# Altium PCB ArduinoUnoShield.PcbDoc (part 1 of 2)
Units mil, origin at the board's own origin, x right, y up, seen from the top; angles counter-clockwise.
Board outline 4000 x 2250 mil, 2 copper layers (Top Layer, Bottom Layer); 123 components, 114 nets, 416 pads, 94 vias.
Unrouted connection lines stored in the file: 263.
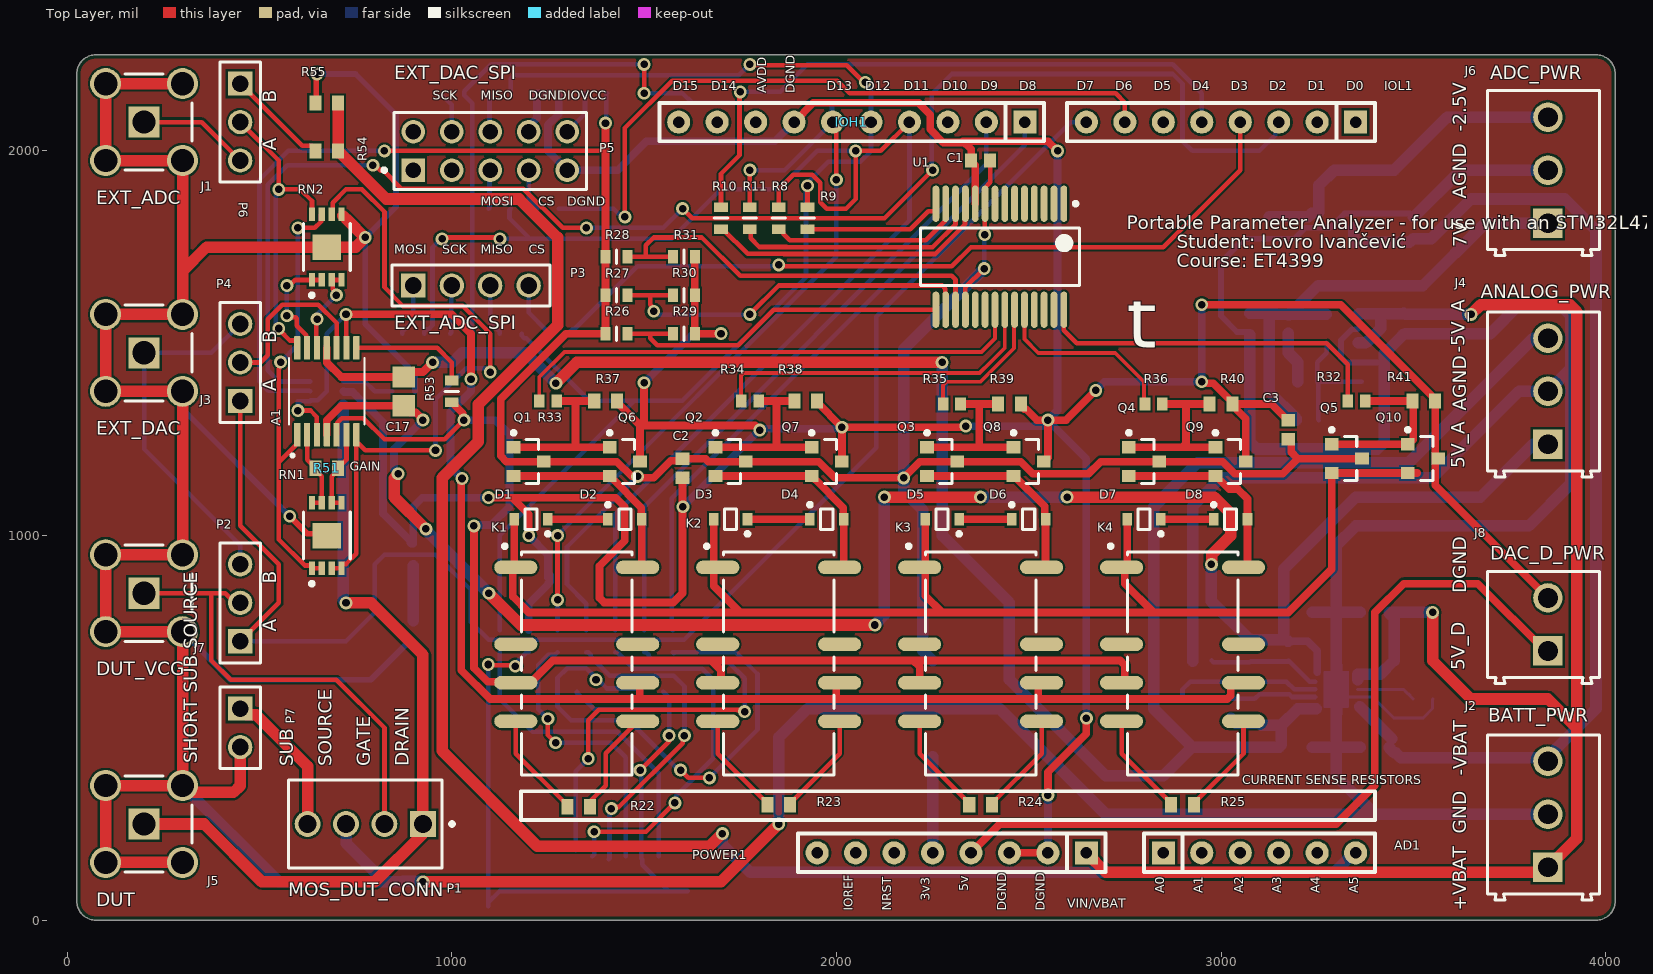
[diagram p0: Top Layer view]
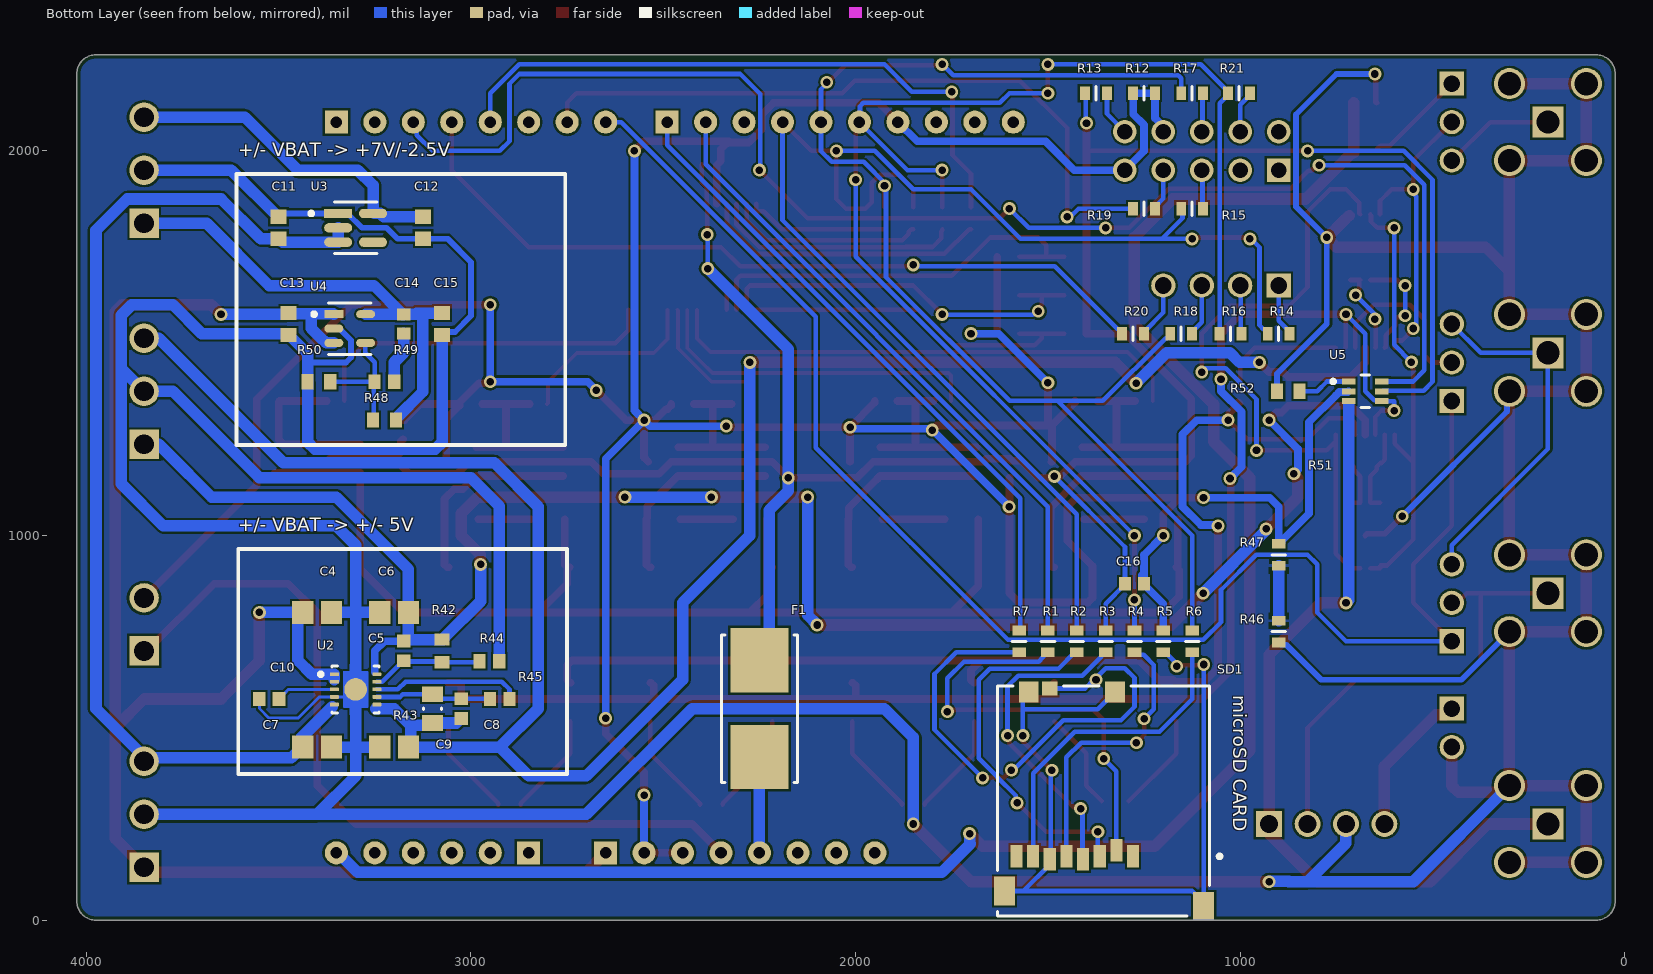
[diagram p1: Bottom Layer view, seen from below]
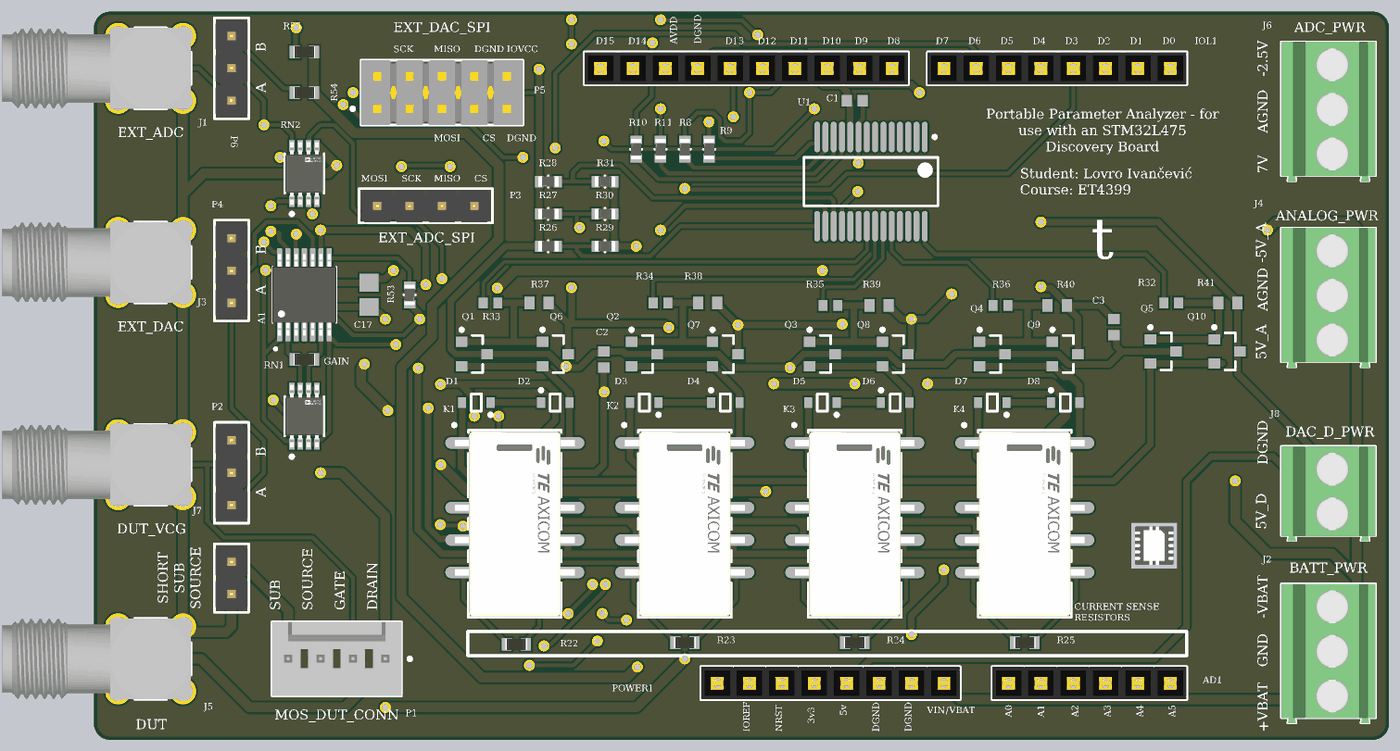
[diagram p3: 3D render of the assembled board from above, using the file's embedded part models]
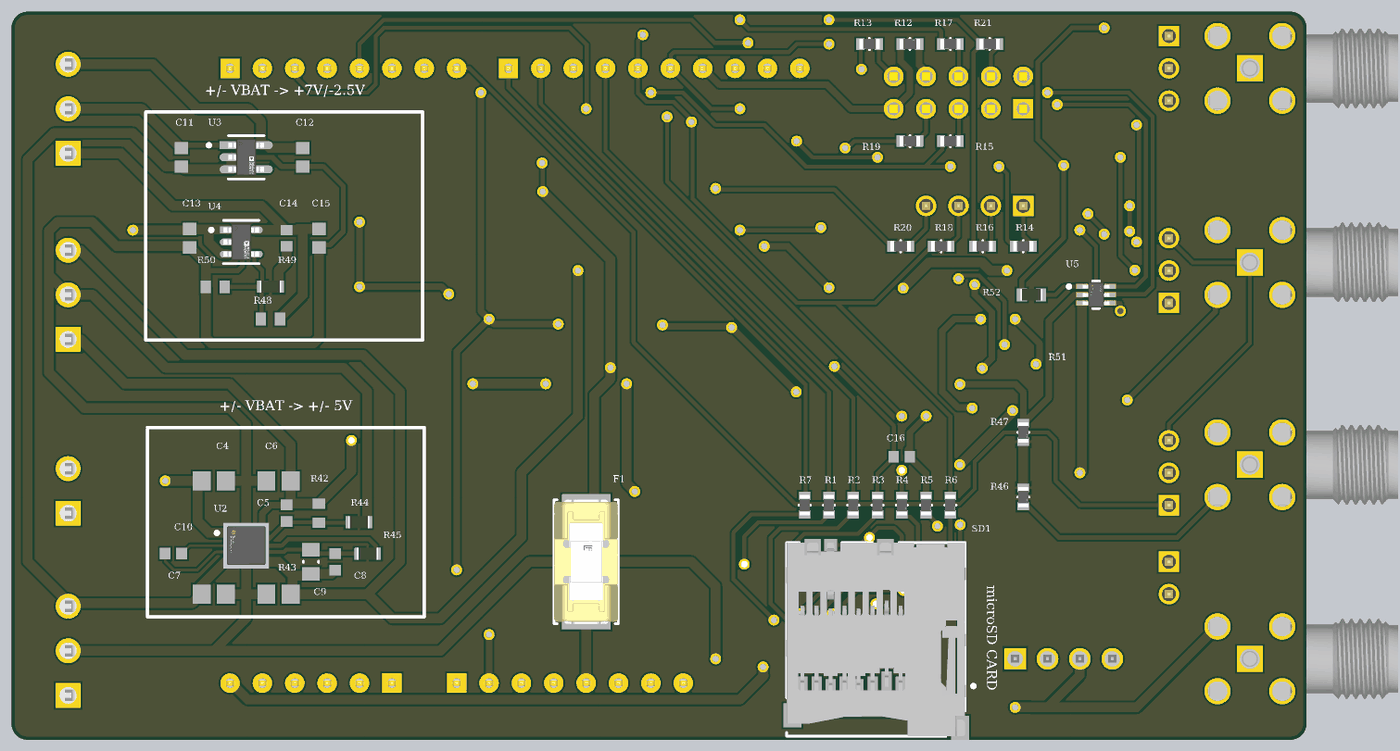
[diagram p4: 3D render of the assembled board from below, using the file's embedded part models]

## Layer stack, top to bottom
Top Solder: solder mask 0.4, Solder Resist, Dk 3.5
Top Layer: signal copper 1.4
Dielectric1: dielectric 12.6, FR-4, Dk 4.8
Bottom Layer: signal copper 1.4
Bottom Solder: solder mask 0.4, Solder Resist, Dk 3.5

## Board outline
25,50 25,2200 cw(c75,2200) 75,2250 3975,2250 cw(c3975,2200) 4025,2200 4025,50 cw(c3975,50) 3975,0 75,0 cw(c75,50)

## Design rules (kind name [scope] priority, off if disabled: settings)
BoardOutlineClearance [All] p1: gap=9.84 ignorepadtopadclearanceinfootprint=FALSE except(0: Arc-SplitContinuation Track-SplitContinuation SMDPad-SplitContinuation THPad-SplitContinuation Via-SplitContinuation Fill-SplitContinuation Poly-SplitContinuation Region-SplitContinuation Text-SplitContinuation)
Clearance Clearance-xPP-xTP-xTT [All] p1: gap=5.91 ignorepadtopadclearanceinfootprint=FALSE except(0: Arc-Hole Track-Hole SMDPad-Hole THPad-Hole Via-Hole Fill-Hole Poly-Hole Region-Hole Text-Hole)
ComponentClearance [All] p1: gap=9.84 collisioncheckmode=3 verticalgap=9.84 showdistances=FALSE
DiffPairsRouting [All] p1: maxlimit=9.84 minlimit=9.84 mostfreqgap=9.84 toplayer_minwidth=15 toplayer_maxwidth=15 toplayer_prefwidth=15 bottomlayer_minwidth=15 bottomlayer_maxwidth=15 bottomlayer_prefwidth=15 maxuncoupledlength=492.13
Height [All] p1: minheight=0 maxheight=984.25 prefheight=492.13
HoleSize HoleSize-PTH [All] p1: absolutevalues=TRUE maxlimit=78.74 minlimit=9.84 maxpercent=80.000 minpercent=20.000
HoleToHoleClearance [All] p1: gap=13.78 allowstackedmicrovias=TRUE
MinimumAnnularRing "Minimum IAR  >0.45mm" [((ObjectKind = 'Pad') OR (ObjectKind = 'Via')) And (Layer = 'MultiLayer') And (HoleDiameter > AsMM(0.45))] p1: minimumring=6.89 // minimum inner annular ring for pads > 0.45mm finished hole size
MinimumAnnularRing "Minimum IAR <=0.45mm" [((ObjectKind = 'Pad') OR (ObjectKind = 'Via')) And (Layer = 'MultiLayer') And (HoleDiameter <= AsMM(0.45))] p2: minimumring=6.89 // minimum inner annular ring for pads <= 0.45mm finished hole size
MinimumSolderMaskSliver [All] p1: minsoldermaskwidth=3.15
PlaneClearance PlaneClearance-IPI [All] p1: clearance=9.84
PlaneConnect [All] p1: planeconnectstyle=Relief reliefexpansion=6.89 reliefentries=4 reliefconductorwidth=7.87 reliefairgap=7.87
PolygonConnect PolygonConnect-xTW [All] p1: connectstyle=Relief reliefconductorwidth=7.87 reliefentries=4 polygonreliefangle="90 Angle" airgapwidth=7.87
RoutingCorners [All] p1: cornerstyle=45-Degree minsetback=98.43 maxsetback=98.43
RoutingVias "RoutingVias > 0.45mm" [(ObjectKind = 'Via') And (HoleDiameter > AsMM(0.45))] p1: holewidth=19.68 width=33.46 viastyle="Through Hole" minholewidth=19.68 minwidth=33.46 maxholewidth=35.43 maxwidth=49.21 // finishet hole size > 0.45mm
RoutingVias "RoutingVias <= 0.45mm" [(ObjectKind = 'Via') And (HoleDiameter <= AsMM(0.45))] p2: holewidth=11.81 width=25.59 viastyle="Through Hole" minholewidth=9.84 minwidth=23.62 maxholewidth=17.72 maxwidth=31.5 // finishet hole size <= 0.45mm
SilkToSilkClearance [All] p1: silktosilkclearance=7.87
SilkToSolderMaskClearance SilkscreenOverComponentPads [IsPad] p1: minsilkscreentomaskgap=7.87 clearancetoexposedcopper=TRUE
SolderMaskExpansion [All] p1: expansion=0 istentingtop=FALSE
UnRoutedNet [All] p1: checkbadconnections=TRUE
Width Width-xTW [All] p1: maxlimit=59.06 minlimit=5.91 preferedwidth=7.87
18 further rules are at their usual default settings.

## Classes and differential pairs
component class Connectors: A J1 J2 J3 J4 J5 J6 J7 J8 P1 P2 P3 P4 P5 P6 P7 R54 R55
component class Power: C4 C5 C6 C7 C8 C9 C10 C11 C12 C13 C14 C15 R42 R43 R44 R45 R46 R47 R48 R49 R50 U2 U3 U4
component class In_Amp: A1 C17 R51 R52 R53 RN1 RN2 U5
component class SD_Card: SD1
component class SPI_Relays: C1 C2 C3 D1 D2 D3 D4 D5 D6 D7 D8 K1 K2 K3 K4 Q1 Q2 Q3 Q4 Q5 Q6 Q7 Q8 Q9 Q10 R22 R23 R24 R25 R26 R27 R28 R29 R30 R31 R32 R33 R34 R35 R36 R37 R38 R39 R40 R41 U1
component class ArduinoUnoShield: AD1 C16 F1 IOH1 IOL1 POWER1 R1 R2 R3 R4 R5 R6 R7 R8 R9 R10 R11 R12 R13 R14 R15 R16 R17 R18 R19 R20 R21

## Components (designator, comment, footprint, x,y, rotation, side; value= is the part's Value field where it differs from the comment)
A1 "AD4522-4ARUZ" TSSOP14 675,1375 r90 top
AD1 "AD" "Header 6x1 8.5mm" 2850,175 r0 top locked
C1 "C0603C105K3PACTU" CAPC1608X95X35LL15T15 2375,1975 r0 top
C2 "1uF" CAPC1608X95X35LL15T15 1600,1175 r90 top
C3 "1uF" CAPC1608X95X35LL15T15 3175,1275 r270 top
C4 "10uF" CAPC2013X135X45ML10T25 3400,800 r0 bottom
C5 "10nF" CAPC1608X90X35LL15T15 3175,700 r90 bottom
C6 "10uF" CAPC2013X135X45ML10T25 3200,800 r180 bottom
C7 "10uF" CAPC2013X135X45ML10T25 3400,450 r0 bottom
C8 "10nF" CAPC1608X90X35LL15T15 3025,550 r270 bottom
C9 "10uF" CAPC2013X135X45ML10T25 3200,450 r180 bottom
C10 "4.7nF" CAPC1608X90X35LL15T15 3525,575 r180 bottom
C11 "2.2uF" CAPC1608X90X35ML10T15 3500,1800 r270 bottom
C12 "2.2uF" CAPC1608X90X35ML10T15 3125,1800 r90 bottom
C13 "2.2uF" CAPC1608X90X35ML10T15 3475,1550 r90 bottom
C14 "1uF" CAPC1608X95X35LL15T15 3175,1550 r90 bottom
C15 "2.2uF" CAPC1608X90X35ML10T15 3075,1550 r90 bottom
C16 "1uF" CAPC1608X95X35LL15T15 1275,875 r0 bottom
C17 "10uF" CAPC2013X135X45ML10T25 875,1375 r270 top
D1 "SZMM3Z6V2T1G" ONSC-SOD-323-2-477-02_V 1206.1,1042.24 r180 top
D2 "SZMM3Z6V2T1G" ONSC-SOD-323-2-477-02_V 1450,1042.24 r0 top
D3 "SZMM3Z6V2T1G" ONSC-SOD-323-2-477-02_V 1725,1042.24 r180 top
D4 "SZMM3Z6V2T1G" ONSC-SOD-323-2-477-02_V 1975,1042.24 r0 top
D5 "SZMM3Z6V2T1G" ONSC-SOD-323-2-477-02_V 2275,1042.24 r180 top
D6 "SZMM3Z6V2T1G" ONSC-SOD-323-2-477-02_V 2500,1042.24 r0 top
D7 "SZMM3Z6V2T1G" ONSC-SOD-323-2-477-02_V 2800,1042.24 r180 top
D8 "SZMM3Z6V2T1G" ONSC-SOD-323-2-477-02_V 3025,1042.24 r0 top
F1 "0154.125DR" FP-0154-MFG 2250,550 r270 bottom
IOH1 "IOH" "Header 10x1 8.5mm" 2490,2075 r180 top locked
IOL1 "IOL" "Header 8x1 8.5mm" 3350,2075 r180 top locked
J1 "731000114" MOLX-731000114_V 200,2075 r0 top
J2 "691214110003" 691214110003 3838.19,275 r90 top
J3 "731000114" MOLX-731000114_V 200,1475 r0 top
J4 "691214110003" 691214110003 3838.19,1375 r90 top
J5 "731000114" MOLX-731000114_V 200,250 r0 top
J6 "691214110003" 691214110003 3838.19,1950 r90 top
J7 "731000114" MOLX-731000114_V 200,850 r0 top
J8 "691214110002" 691214110002 3838.19,768.9 r90 top
K1 "4-1393789-7" FP-4-1393789-7-MFG 1325,667.24 r270 top
K2 "4-1393789-7" FP-4-1393789-7-MFG 1850,667.24 r270 top
K3 "4-1393789-7" FP-4-1393789-7-MFG 2375,667.24 r270 top
K4 "4-1393789-7" FP-4-1393789-7-MFG 2900,667.24 r270 top
P1 "22-27-2041" MOLX-22-27-2041_V 775,250 r0 top
P2 "61300311121" 61300311121 450,825 r90 top
P3 "61300411121" 61300411121 1050,1650 r0 top
P4 "61300311121" 61300311121 450,1450 r90 top
P5 "TSW-105-07-G-D" SMTC-TSW-105-07-G-D_V 1100,2000 r0 top
P6 "61300311121" 61300311121 450,2075 r270 top
P7 "61300211121" 61300211121 450,500 r270 top
POWER1 "POWER_UNO" "Header 8x1 8.5mm" 2650,175 r180 top locked
Q1 "BC817-40LT1G" ONSC-SOT-23-3-318-08_V 1200,1192.24 r0 top
Q2 "BC817-40LT1G" ONSC-SOT-23-3-318-08_V 1725,1192.24 r0 top
Q3 "BC817-40LT1G" ONSC-SOT-23-3-318-08_V 2275,1192.24 r0 top
Q4 "BC817-40LT1G" ONSC-SOT-23-3-318-08_V 2800,1192.24 r0 top
Q5 "BC817-40LT1G" ONSC-SOT-23-3-318-08_V 3327.36,1200 r0 top
Q6 "BC807-40LT1G" ONSC-SOT-23-3-318-08_V 1450,1192.24 r0 top
Q7 "BC807-40LT1G" ONSC-SOT-23-3-318-08_V 1975,1192.24 r0 top
Q8 "BC807-40LT1G" ONSC-SOT-23-3-318-08_V 2500,1192.24 r0 top
Q9 "BC807-40LT1G" ONSC-SOT-23-3-318-08_V 3025,1192.24 r0 top
Q10 "BC807-40LT1G" ONSC-SOT-23-3-318-08_V 3525,1200 r0 top
R1 "0R" FP-CR0603-MFG 1500,725 r270 bottom
R2 "0R" FP-CR0603-MFG 1425,725 r270 bottom
R3 "0R" FP-CR0603-MFG 1350,725 r270 bottom
R4 "0R" FP-CR0603-MFG 1275,725 r270 bottom
R5 "0R" FP-CR0603-MFG 1200,725 r270 bottom
R6 "0R" FP-CR0603-MFG 1125,725 r270 bottom
R7 "0R" FP-CR0603-MFG 1575,725 r270 bottom
R8 "0R" FP-CR0603-MFG 1850,1825 r90 top
R9 "0R" FP-CR0603-MFG 1925,1825 r90 top
R10 "0R" FP-CR0603-MFG 1700,1825 r90 top
R11 "0R" FP-CR0603-MFG 1775,1825 r90 top
R12 "0R" FP-CR0603-MFG 1250,2150 r180 bottom
R13 "0R" FP-CR0603-MFG 1375,2150 r0 bottom
R14 "0R" FP-CR0603-MFG 900,1525 r0 bottom
R15 "0R" FP-CR0603-MFG 1125,1850 r0 bottom
R16 "0R" FP-CR0603-MFG 1025,1525 r0 bottom
R17 "0R" FP-CR0603-MFG 1125,2150 r0 bottom
R18 "0R" FP-CR0603-MFG 1153.54,1525 r0 bottom
R19 "0R" FP-CR0603-MFG 1250,1850 r0 bottom
R20 "0R" FP-CR0603-MFG 1278.54,1525 r0 bottom
R21 "0R" FP-CR0603-MFG 1003.54,2150 r0 bottom
R22 "DNP" RESC1608X55X25ML10T15 1330,295 r0 top
R23 "DNP" RESC1608X55X25ML10T15 1850,300 r0 top
R24 "DNP" RESC1608X55X25ML10T15 2375,300 r0 top
R25 "DNP" RESC1608X55X25ML10T15 2900,300 r0 top
R26 "0R" FP-CR0603-MFG 1428.54,1525 r180 top
R27 "0R" FP-CR0603-MFG 1428.54,1625 r180 top
R28 "0R" FP-CR0603-MFG 1428.54,1725 r180 top
R29 "0R" FP-CR0603-MFG 1603.54,1525 r180 top
R30 "0R" FP-CR0603-MFG 1603.54,1625 r180 top
R31 "0R" FP-CR0603-MFG 1603.54,1725 r180 top
R32 "R220" RESC1609X50X30LL10T20 3352.36,1350 r0 top
R33 "R220" RESC1609X50X30LL10T20 1250,1350 r0 top
R34 "R220" RESC1609X50X30LL10T20 1775,1350 r0 top
R35 "R220" RESC1609X50X30LL10T20 2300,1342.24 r0 top
R36 "R220" RESC1609X50X30LL10T20 2825,1342.24 r0 top
R37 "100K" RESC1608X55X25ML10T15 1400,1350 r180 top
R38 "100K" RESC1608X55X25ML10T15 1920.47,1350 r180 top
R39 "100K" RESC1608X55X25ML10T15 2450,1342.24 r180 top
R40 "100K" RESC1608X55X25ML10T15 3000,1342.24 r180 top
R41 "100K" RESC1608X55X25ML10T15 3527.36,1350 r180 top
R42 "32K4" RESC1608X55X25ML10T15 3075,700 r270 bottom
R43 "42K2" RESC0805(2012)_N 3100,550 r270 bottom value="42200.00 Ohm"
R44 "10K" RESC1609X50X30NL8T20 2952.26,672.74 r0 bottom
R45 "10K" RESC1609X50X30NL8T20 2925,575 r0 bottom
R46 "0R" FP-CR0603-MFG 900,750 r270 bottom
R47 "0R" FP-CR0603-MFG 900,950 r270 bottom
R48 "100K" RESC1608X55X25ML10T15 3225,1300 r180 bottom
R49 "10K" RESC1609X50X30NL8T20 3225,1400 r180 bottom
R50 "88K7" RESC1608X55X25ML10T15 3395.47,1400 r180 bottom
R51 "DNP" RESC1608X55X25ML10T15 675,1175 r180 top
R52 "DNP" RESC1608X55X25ML10T15 875,1375 r180 bottom
R53 "0R" FP-CR0603-MFG 1000,1375 r270 top
R54 "DNP" RESC1608X55X25ML10T15 675,2000 r180 top
R55 "DNP" RESC1608X55X25ML10T15 675,2125 r0 top
RN1 "LT5400AHMS8E-4#PBF" FP-MS8E-8-05-08-1662-MFG 675,1000 r90 top value=1kΩ
RN2 "LT5400AHMS8E-4#PBF" FP-MS8E-8-05-08-1662-MFG 675,1750 r90 top value=1kΩ
SD1 "473521001" MOLX-473521001_V 1355,310 r180 bottom
U1 "MCP23S17T-E/SS" SSOP-SS28_M 2425,1725 r270 top
U2 "TPS7A3901DSCT" TPS7A3901DSCT 3300,600 r180 bottom
U3 "ADP7182AUJZ-R7-2.5" FP-UJ-5-IPC_A 3300,1800 r180 bottom
U4 "ADP7118AUJZ-3.3-R7" FP-UJ-5-IPC_C 3315.3,1538.13 r180 bottom
U5 "TS5A3160DCKR" FP-DCK0006A-MFG 675,1375 r180 bottom

## Footprints (in the part's own frame and the unit in brackets; to place one, negate y for a bottom-side part, rotate by r counter-clockwise, add the part's x,y. Pads: shape width x height; smd on the part's side, far side on the other; paste and mask are expansions set on the pad)
61300211121 [mm] "Pin Header, pitch 2.54 mm, THT, Vertical, single row, 2p"
  rect 1.6x1.6 hole 1.1: 1(-1.27,0)
  round 1.6 hole 1.1: 2(1.27,0)
  silkscreen extent -2.69,-1.35 2.69,1.35, body extent -2.54,-1.27 2.54,1.27, height 8.57
61300311121 [mm] "Pin Header, pitch 2.54 mm, THT, Vertical, single row, 3p"
  rect 1.6x1.6 hole 1.1: 1(-2.54,0)
  round 1.6 hole 1.1: 2(0,0) 3(2.54,0)
  silkscreen extent -3.96,-1.35 3.96,1.35, body extent -3.81,-1.27 3.81,1.27, height 8.57
61300411121 [mm] "Pin Header, pitch 2.54 mm, THT, Vertical, single row, 4p"
  rect 1.6x1.6 hole 1.1: 1(-3.81,0)
  round 1.6 hole 1.1: 2(-1.27,0) 3(1.27,0) 4(3.81,0)
  silkscreen extent -5.23,-1.35 5.23,1.35, body extent -5.08,-1.27 5.08,1.27, height 8.57
691214110002 [mm] "3.50 mm Horizontal Entry Modular, 2p"
  rect 1.95x1.95 hole 1.3: 1(-1.75,-0.3)
  round 1.95 hole 1.3: 2(1.75,-0.3)
  silkscreen extent -3.9,-3.7 3.5,3.7, body extent -3.95,-3.7 3.5,3.7, height 8.55
691214110003 [mm] "3.50 mm Horizontal Entry Modular, 3p"
  rect 1.95x1.95 hole 1.3: 1(-3.5,-0.3)
  round 1.95 hole 1.3: 2(0,-0.3) 3(3.5,-0.3)
  silkscreen extent -5.65,-3.7 5.25,3.7, body extent -5.7,-3.7 5.25,3.7, height 8.55
CAPC1608X90X35LL15T15 [mm] "Chip Capacitor, 2-Leads, Body 1.60x0.81mm, IPC High Density"
  rect 0.85x0.9 smd: 1(-0.65,0) 2(0.65,0)
  body extent -0.88,-0.48 0.87,0.48, height 0.9
CAPC1608X90X35ML10T15 [mm] "Chip Capacitor, 2-Leads, Body 1.60x0.80mm, IPC Low Density"
  rect 0.95x1.05 smd: 1(-0.725,0) 2(0.725,0)
  body extent -0.85,-0.45 0.85,0.45, height 0.9
CAPC1608X95X35LL15T15 [mm] "Chip Capacitor, 2-Leads, Body 1.60x0.80mm, IPC High Density"
  rect 0.8x0.9 smd: 1(-0.625,0) 2(0.625,0)
  body extent -0.87,-0.48 0.87,0.48, height 0.95
CAPC2013X135X45ML10T25 [mm] "Chip Capacitor, 2-Leads, Body 2.00x1.25mm, IPC Low Density"
  rect 1.4x1.5 smd: 1(-0.95,0) 2(0.95,0)
  body extent -1.05,-0.67 1.05,0.67, height 1.35
FP-4-1393789-7-MFG [mm]
  rrect100% 0.9x2.85 smd paste+0 mask+0: 1(-6.35,-4.025) 3(-1.27,-4.025) 4(1.27,-4.025) 5(3.81,-4.025) 8(3.81,4.025) 9(1.27,4.025) 10(-1.27,4.025) 12(-6.35,4.025)
  silkscreen extent -7.87,-4.87 7.35,3.65, body extent -7.45,-5.55 7.45,5.55, height 0.25
FP-0154-MFG [mil]
  rect 167x150 smd paste+0 mask+0: 1(-125.5,0) 2(125.5,0)
  silkscreen extent -192,-99 192,99, body extent -192,-99 192,99, height 150
FP-CR0603-MFG [mm]
  rect 0.65x0.9 smd paste+0 mask+0: 1(-0.725,0) 2(0.725,0)
  silkscreen extent 0,-0.45 0,0.45, body extent -0.8,-0.4 0.8,0.4, height 0.55
FP-DCK0006A-MFG [mm]
  rect 0.9x0.4 smd paste-1000 mask+0: 1(-1.1,0.65) 2(-1.1,0) 3(-1.1,-0.65) 4(1.1,-0.65) 5(1.1,0) 6(1.1,0.65)
  silkscreen extent -2.25,-1.07 0.28,1.07, body extent -1.05,-1 1.05,1, height 1.1
FP-MS8E-8-05-08-1662-MFG [mm]
  rect 0.889x0.42 smd paste+0 mask+0: 1(-2.171,0.975) 2(-2.171,0.325) 3(-2.171,-0.325) 4(-2.171,-0.975) 5(2.171,-0.975) 6(2.171,-0.325) 7(2.171,0.325) 8(2.171,0.975)
  rect 1.68x1.88 smd paste+0 mask+0: 9(0,0)
  silkscreen extent -3.3,-1.55 1.55,1.55, body extent -2.72,-1.8 2.72,1.8, height 0.25
FP-UJ-5-IPC_A [mm]
  rect 1.854x0.612 smd paste+0 mask+0: 1(-1.15,0.95)
  rrect100% 1.854x0.612 smd paste+0 mask+0: 2(-1.15,0) 3(-1.15,-0.95) 4(1.15,-0.95) 5(1.15,0.95)
  silkscreen extent -3.05,-1.7 1.4,1.7, body extent -1.4,-1.45 1.4,1.45, height 1
FP-UJ-5-IPC_C [mm]
  rect 1.254x0.532 smd paste+0 mask+0: 1(-1.05,0.95)
  rrect100% 1.254x0.532 smd paste+0 mask+0: 2(-1.05,0) 3(-1.05,-0.95) 4(1.05,-0.95) 5(1.05,0.95)
  silkscreen extent -2.48,-1.7 1.4,1.7, body extent -1.4,-1.45 1.4,1.45, height 1
"Header 6x1 8.5mm" [mil] "Stackable 6 pin header"
  rect 60x60 hole 30: 1(0,0)
  round 60 hole 30: 2(100,0) 3(200,0) 4(300,0) 5(400,0) 6(500,0)
  silkscreen extent -50,-50 550,50, body extent -50,-50 550,50, height 335
"Header 8x1 8.5mm" [mil] "Stackable 8 pin header"
  rect 60x60 hole 30: 1(0,0)
  round 60 hole 30: 2(100,0) 3(200,0) 4(300,0) 5(400,0) 6(500,0) 7(600,0) 8(700,0)
  silkscreen extent -50,-50 750,50, body extent -50,-50 750,50, height 335
"Header 10x1 8.5mm" [mil] "Stackable 10 pin header"
  rect 60x60 hole 30: 1(0,0)
  round 60 hole 30: 2(100,0) 3(200,0) 4(300,0) 5(400,0) 6(500,0) 7(600,0) 8(700,0) 9(800,0) 10(900,0)
  silkscreen extent -50,-50 950,50, body extent -50,-50 950,50, height 335
MOLX-22-27-2041_V [mm] "CONN, 4-Leads, Body 10.16x5.8mm, Pitch 2.54mm"
  rect 1.7x1.7 hole 1.19: 1(3.81,0)
  round 1.7 hole 1.19: 2(1.27,0) 3(-1.27,0) 4(-3.81,0)
  silkscreen extent -5.08,-2.9 5.86,2.9, body extent -5.08,-2.9 5.08,2.9, height 11.7
MOLX-473521001_V [mm] "SMD, 8-Leads, Body 15.2x14mm, Pitch 1.1mm"